# Altium PCB Quark_no.PcbDoc (part 1 of 3) (continued)
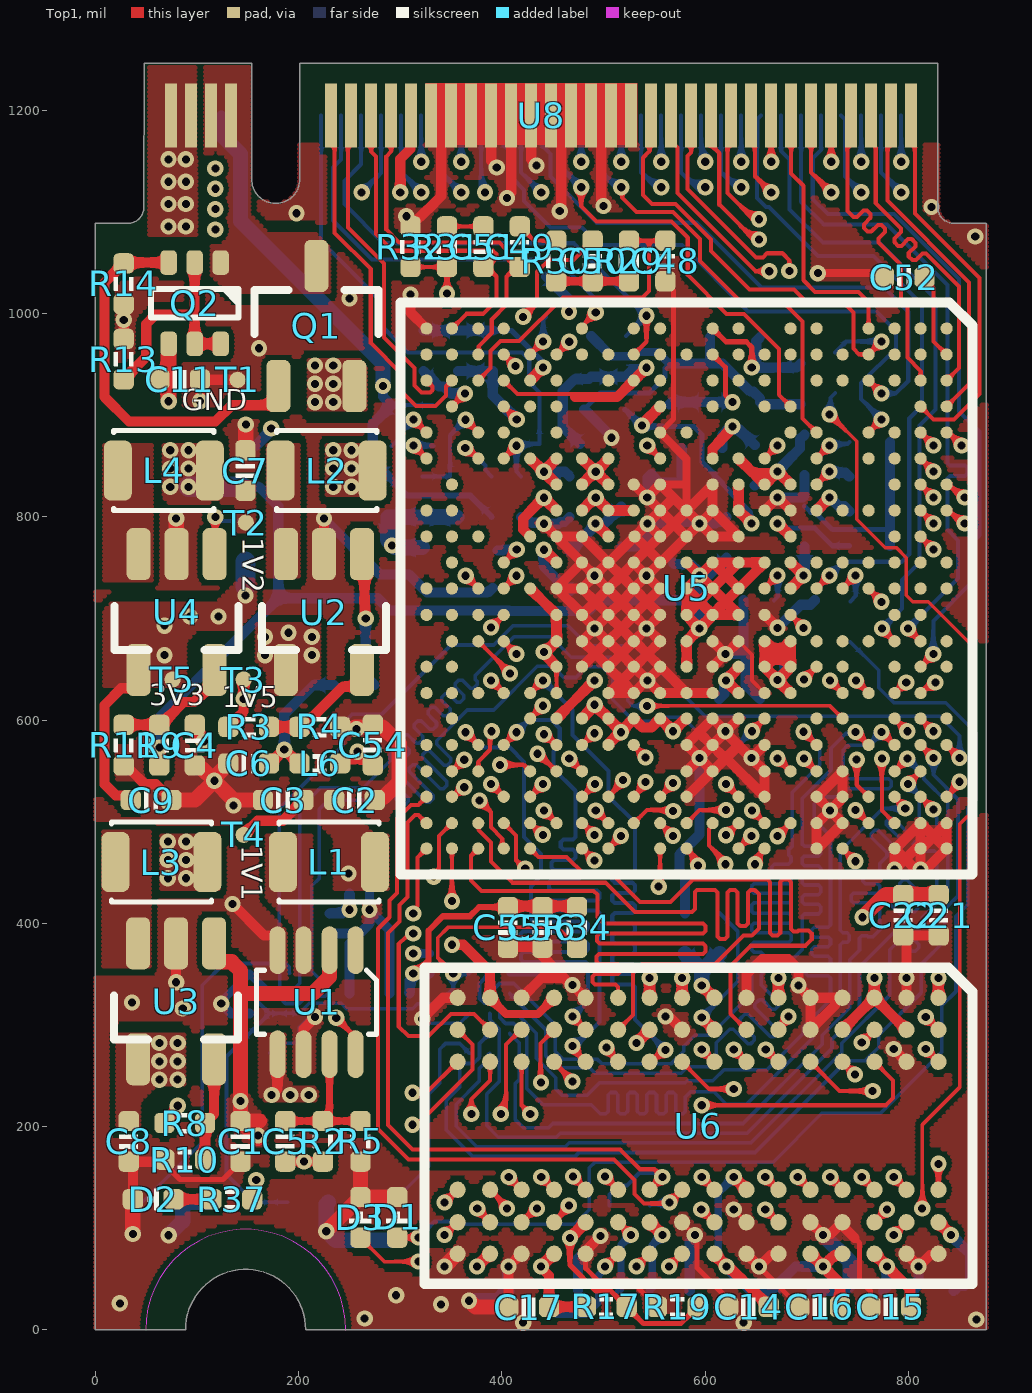
[diagram p0: Top1 view]
## Components (designator, comment, footprint, x,y, rotation, side; value= is the part's Value field where it differs from the comment)
C1 "10uF" CAP_0402 142.85,185.4 r90 top value=0.1u
C2 "10uF" CAP_0402 255,521.4 r180 top value=0.1u
C3 "0.1uF" CAP_0402 184.85,521.4 r0 top value=0.1u
C4 "10uF" CAP_0402 97.85,575.4 r90 top value=0.1u
C5 "10uF" CAP_0402 186.85,185.51 r270 top value=0.1u
C6 "10uF" CAP_0402 150.85,557.4 r0 top value=0.1u
C7 "10uF" CAP_0402 147.65,845.6 r270 top value=0.1u
C8 "10uF" CAP_0402 32.85,185.4 r90 top value=0.1u
C9 "10uF" CAP_0402 54.85,521.4 r180 top value=0.1u
C10 "10uF" CAP_0402 488,958 r270 bottom value=0.1u
C11 "10uF" CAP_0402 82.85,935.4 r180 top value=0.1u
C12 "10uF" CAP_0402 288,820 r90 bottom value=0.1u
C13 "10uF" CAP_0402 755,38 r0 bottom value=0.1u
C14 "1uF" CAP_0402 642.8,22.6 r0 top value=0.1u
C15 "0.1uF" CAP_0402 782.8,22.6 r0 top value=0.1u
C16 "0.1uF" CAP_0402 712.8,22.6 r0 top value=0.1u
C17 "0.1uF" CAP_0402 426.4,22.4 r0 top value=0.1u
C18 "0.1uF" CAP_0402 824.68,38 r0 bottom value=0.1u
C19 "0.1uF" CAP_0402 685,38 r180 bottom value=0.1u
C20 "0.1uF" CAP_0402 565,38 r180 bottom value=0.1u
C21 "0.1uF" CAP_0402 830,408 r90 top value=0.1u
C22 "0.1uF" CAP_0402 795,408 r90 top value=0.1u
C23 "0.1uF" CAP_0402 614.42,390 r90 bottom value=0.1u
C24 "0.1uF" CAP_0402 580.16,390 r270 bottom value=0.1u
C25 "0.1uF" CAP_0402 660,665.15 r0 bottom value=0.1u
C26 "0.1uF" CAP_0402 698,861 r90 bottom value=0.1u
C27 "0.1uF" CAP_0402 698,790.62 r270 bottom value=0.1u
C28 "0.1uF" CAP_0402 634,621 r180 bottom value=0.1u
C29 "1uF" CAP_0402 597,834 r0 bottom value=0.1u
C30 "0.1uF" CAP_0402 501,905.91 r0 bottom value=0.1u
C31 "18pF" CAP_0402 694,931 r270 bottom value=0.1u
C32 "18pF" CAP_0402 565,931 r270 bottom value=0.1u
C33 "10uF" CAP_0402 688,718 r0 bottom value=0.1u
C34 "0.1uF" CAP_0402 568.37,775 r270 bottom value=0.1u
C35 "0.1uF" CAP_0402 621.22,780 r270 bottom value=0.1u
C36 "0.1uF" CAP_0402 618,718 r180 bottom value=0.1u
C37 "0.1uF" CAP_0402 597,868 r180 bottom value=0.1u
C38 "0.1uF" CAP_0402 762,805.62 r180 bottom value=0.1u
C39 "10uF" CAP_0402 527,842 r180 bottom value=0.1u
C40 "0.1uF" CAP_0402 517.46,790 r90 bottom value=0.1u
C41 "0.1uF" CAP_0402 466.71,820 r90 bottom value=0.1u
C42 "0.1uF" CAP_0402 762,771.71 r180 bottom value=0.1u
C43 "1uF" CAP_0402 323,963.56 r90 bottom value=0.1u
C44 "10uF" CAP_0402 322,820 r90 bottom value=0.1u
C45 "10uF" CAP_0402 391,963.56 r270 bottom value=0.1u
C46 "0.1uF" CAP_0402 357,963.56 r270 bottom value=0.1u
C47 "0.1uF" CAP_0402 419,820 r90 bottom value=0.1u
C48 "1uF" CAP_0402 560.98,1052 r270 top value=0.1u
C49 "0.1uF" CAP_0402 417.66,1066 r90 top value=0.1u
C50 "10uF" CAP_0402 489.32,1052 r270 top value=0.1u
C51 "0.1uF" CAP_0402 381.83,1066 r90 top value=0.1u
C52 "0.1uF" CAP_0402 796,1036 r0 top value=0.1u
C53 "0.1uF" CAP_0402 762,839.71 r180 bottom value=0.1u
C54 "10uF" CAP_0402 273,575.65 r270 top locked value=0.1u
C55 "2.2uF" CAP_0402 406,396 r90 top value=0.1u
C56 "0.1uF" CAP_0402 440,396 r90 top value=0.1u
C57 "2.2uF" CAP_0402 209.1,125.6 r0 bottom value=0.1u
C58 "0.1uF" CAP_0402 136.2,125.6 r180 bottom value=0.1u
C59 "0.1uF" CAP_0402 295.8,108 r90 bottom value=0.1u
C60 "1uF" CAP_0402 259.8,108 r90 bottom value=0.1u
D1 "color?" LED_0402_BLUE 297,110.6 r90 top
D2 "color?" LED_0402_RED 56.8,128.4 r180 top
D3 "color?" LED_0402_G 260.8,110.6 r90 top
L1 "2.2uH" 2520-L 229.85,460.4 r0 top locked
L2 "2.2uH" 2520-L 227.65,845.6 r0 top
L3 "2.2uH" 2520-L 64.85,460.4 r0 top locked
L4 "2.2uH" 2520-L 67.25,845.6 r0 top locked
L5 "H0402" IND_0402 649,850.91 r90 bottom value=1500R
L6 "H0402" IND_0402 220.85,557.4 r0 top locked value=1500R
Q1 "AO3415A" SOT23-3 217.45,988 r90 top locked
Q2 "BCM856BS" SOT363-6 97.65,1010.4 r270 top
R1 "10K" RES_0402 254.8,634.6 r180 bottom value=22R
R2 "10K/1%" RES_0402 223.85,185.51 r270 top value=22R
R3 "15K/1%" RES_0402 150.85,593.4 r0 top value=22R
R4 "10K/1%" RES_0402 220.85,593.4 r180 top value=22R
R5 "12K/1%" RES_0402 260.85,185.51 r90 top value=22R
R6 "10K" RES_0402 147.65,776 r270 bottom value=22R
R7 "2R/1%" RES_0402 147.65,845.6 r90 bottom value=22R
R8 "30K/1%" RES_0402 87.88,203.48 r0 top value=22R
R9 "10K/1%" RES_0402 62.85,575.4 r270 top value=22R
R10 "6.8K/1%" RES_0402 87.88,167.48 r0 top value=22R
R11 "10K/1%" RES_0402 27.85,575.4 r90 top value=22R
R12 "0R" RES_0402 322,750 r270 bottom value=22R
R13 "10K/1%" RES_0402 27.85,955.4 r270 top value=22R
R14 "10K/1%" RES_0402 27.85,1029.6 r270 top value=22R
R15 "240R/1%" RES_0402 495,38 r180 bottom value=22R
R16 "240R/1%" RES_0402 425,38 r180 bottom value=22R
R17 "2K/1%" RES_0402 502.8,22.6 r180 top value=22R
R18 "100R" RES_0402 526,122.34 r0 bottom value=22R
R19 "2K/1%" RES_0402 572.8,22.6 r0 top value=22R
R20 "240R/1%" RES_0402 391,750.15 r270 bottom value=22R
R21 "1M" RES_0402 457,872 r0 bottom value=22R
R22 "10K" RES_0402 390,820 r270 bottom value=22R
R23 "47K" RES_0402 522,958 r270 bottom value=22R
R24 "10K" RES_0402 443.41,1016.71 r90 bottom value=22R
R25 "220K/1%" RES_0402 355.97,820 r90 bottom value=22R
R26 "0R" RES_0402 466.71,746 r90 bottom value=22R
R27 "100K" RES_0402 291.46,890 r270 bottom value=22R
R28 "47K" RES_0402 332,890 r270 bottom value=22R
R29 "1K" RES_0402 525.15,1052 r90 top value=22R
R30 "2K" RES_0402 453.49,1052 r270 top value=22R
R31 "2K" RES_0402 346,1066 r90 top value=22R
R32 "1K" RES_0402 310.18,1066 r270 top value=22R
R33 "6K/1%" RES_0402 762,873.71 r180 bottom value=22R
R34 "0R" RES_0402 474,396 r270 top value=22R
R35 "10K" RES_0402 66,125.6 r180 bottom value=22R
R36 "4.7K" RES_0402 743,697 r270 bottom value=22R
R37 "4.7K" RES_0402 134.2,128.4 r180 top value=22R
R38 "10K" RES_0402 728,942 r270 bottom value=22R
T1 "测试点" TEST_PT 140,934.99 r0 top
T2 "测试点" TEST_PT 148.01,794.4 r90 top
T3 "测试点" TEST_PT 145.86,640 r90 top
T4 "测试点" TEST_PT 145.86,487.15 r90 top
T5 "测试点" TEST_PT 76.01,640 r90 top
U1 "MP2143DJ" SOT23-8 217.65,322.4 r180 top locked
U2 "RT8059" SOT23-5 224.85,704.4 r270 top locked
U3 "RT8059" SOT23-5 79.45,321.2 r270 top locked
U4 "SY8089A" SOT23-5 79.85,704.4 r270 top locked
U5 "ALLWINNER-H3(FBGA-347)" "FBGA-347 - duplicate" 581.87,729.65 r270 top locked
U6 "K4B4G1646D-BCK0(FBGA-96_256Mx16_DDR3-1600_11-11-11)" FBGA96(HYNIX_SAMSUNG_512MX16_DDR3) 593.48,200.81 r180 top locked
U7 "KLM8G1GETF-B041" FBGA153 279.62,380.24 r90 bottom locked
U8 "Quantum-Quark-N" M.2 222.19,1195.14 r0 top locked
Y1 "24MHz" 晶振2520 629.61,945.11 r90 bottom

## Footprints (in the part's own frame and the unit in brackets; to place one, negate y for a bottom-side part, rotate by r counter-clockwise, add the part's x,y. Pads: shape width x height; smd on the part's side, far side on the other; paste and mask are expansions set on the pad)
2520-L [mm]
  rrect50% 0.7x1.5 smd: 1(-1.15,0) 2(1.15,0)
  silkscreen extent -1.25,-1 1.25,1, body extent -1,-0.6 1,0.6, height 0.92
CAP_0402 [mil]
  rrect50% 20x20 smd: 1(-20,0) 2(20,0)
  silkscreen extent -7,-9 7,9, body extent -20,-10 20,10, height 20
FBGA96(HYNIX_SAMSUNG_512MX16_DDR3) [mil] "FBGA96(HYNIX_SAMSUNG_512MX16_DDR3)"
  rrect100% 16x16 smd: A1(-236.22,-125.98) A2(-236.22,-94.49) A3(-236.22,-62.99) A7(-236.22,63) A8(-236.22,95) A9(-236.22,126) B1(-204.72,-125.98) B2(-204.72,-94.49) B3(-204.72,-62.99) B7(-204.72,63) B8(-204.72,95) B9(-204.72,126) C1(-173.23,-125.98) C2(-173.23,-94.49) C3(-173.23,-62.99) C7(-173.23,63) C8(-173.23,95) C9(-173.23,126) D1(-141.73,-125.98) D2(-141.73,-94.49) D3(-141.73,-62.99) D7(-141.73,63) D8(-141.73,95) D9(-141.73,126) E1(-110.24,-125.98) E2(-110.24,-94.49) E3(-110.24,-62.99) E7(-110.24,63) E8(-110.24,95) E9(-110.24,126) F1(-78.74,-125.98) F2(-78.74,-94.49) F3(-78.74,-62.99) F7(-78.74,63) F8(-78.74,95) F9(-78.74,126) G1(-47.24,-125.98) G2(-47.24,-94.49) G3(-47.24,-62.99) G7(-47.24,63) G8(-47.24,95) G9(-47.24,126) H1(-15.75,-125.98) H2(-15.75,-94.49) H3(-15.75,-62.99) H7(-15.75,63) H8(-15.75,95) H9(-15.75,126) J1(16,-125.98) J2(16,-94.49) J3(16,-62.99) J7(16,63) J8(16,95) J9(16,126) K1(48,-125.98) K2(48,-94.49) K3(48,-62.99) K7(48,63) K8(48,95) K9(48,126) L1(79,-125.98) L2(79,-94.49) L3(79,-62.99) L7(79,63) L8(79,95) L9(79,126) M1(111,-125.98) M2(111,-94.49) M3(111,-62.99) M7(111,63) M8(111,95) M9(111,126) N1(142,-125.98) N2(142,-94.49) N3(142,-62.99) N7(142,63) N8(142,95) N9(142,126) P1(174,-125.98) P2(174,-94.49) P3(174,-62.99) P7(174,63) P8(174,95) P9(174,126) R1(205,-125.98) R2(205,-94.49) R3(205,-62.99) R7(205,63) R8(205,95) R9(205,126) T1(237,-125.98) T2(237,-94.49) T3(237,-62.99) T7(237,63) T8(237,95) T9(237,126)
  silkscreen extent -270,-156 270,156, body extent -276,-157 276,157, height 45
FBGA153 [mm]
  round 0.23 smd: A1(-3.25,3.25) A2(-2.75,3.25) A3(-2.25,3.25) A4(-1.75,3.25) A5(-1.25,3.25) A6(-0.75,3.25) A7(-0.25,3.25) A8(0.25,3.25) A9(0.75,3.25) A10(1.25,3.25) A11(1.75,3.25) A12(2.25,3.25) A13(2.75,3.25) A14(3.25,3.25) B1(-3.25,2.75) B2(-2.75,2.75) B3(-2.25,2.75) B4(-1.75,2.75) B5(-1.25,2.75) B6(-0.75,2.75) B7(-0.25,2.75) B8(0.25,2.75) B9(0.75,2.75) B10(1.25,2.75) B11(1.75,2.75) B12(2.25,2.75) B13(2.75,2.75) B14(3.25,2.75) C1(-3.25,2.25) C2(-2.75,2.25) C3(-2.25,2.25) C4(-1.75,2.25) C5(-1.25,2.25) C6(-0.75,2.25) C7(-0.25,2.25) C8(0.25,2.25) C9(0.75,2.25) C10(1.25,2.25) C11(1.75,2.25) C12(2.25,2.25) C13(2.75,2.25) C14(3.25,2.25) D1(-3.25,1.75) D2(-2.75,1.75) D3(-2.25,1.75) D4(-1.75,1.75) D12(2.25,1.75) D13(2.75,1.75) D14(3.25,1.75) E1(-3.25,1.25) E2(-2.75,1.25) E3(-2.25,1.25) E5(-1.25,1.25) E6(-0.75,1.25) E7(-0.25,1.25) E8(0.25,1.25) E9(0.75,1.25) E10(1.25,1.25) E12(2.25,1.25) E13(2.75,1.25) E14(3.25,1.25) F1(-3.25,0.75) F2(-2.75,0.75) F3(-2.25,0.75) F5(-1.25,0.75) F10(1.25,0.75) F12(2.25,0.75) F13(2.75,0.75) F14(3.25,0.75) G1(-3.25,0.25) G2(-2.75,0.25) G3(-2.25,0.25) G5(-1.25,0.25) G10(1.25,0.25) G12(2.25,0.25) G13(2.75,0.25) G14(3.25,0.25) H1(-3.25,-0.25) H2(-2.75,-0.25) H3(-2.25,-0.25) H5(-1.25,-0.25) H10(1.25,-0.25) H12(2.25,-0.25) H13(2.75,-0.25) H14(3.25,-0.25) J1(-3.25,-0.75) J2(-2.75,-0.75) J3(-2.25,-0.75) J5(-1.25,-0.75) J10(1.25,-0.75) J12(2.25,-0.75) J13(2.75,-0.75) J14(3.25,-0.75) K1(-3.25,-1.25) K2(-2.75,-1.25) K3(-2.25,-1.25) K5(-1.25,-1.25) K6(-0.75,-1.25) K7(-0.25,-1.25) K8(0.25,-1.25) K9(0.75,-1.25) K10(1.25,-1.25) K12(2.25,-1.25) K13(2.75,-1.25) K14(3.25,-1.25) L1(-3.25,-1.75) L2(-2.75,-1.75) L3(-2.25,-1.75) L12(2.25,-1.75) L13(2.75,-1.75) L14(3.25,-1.75) M1(-3.25,-2.25) M2(-2.75,-2.25) M3(-2.25,-2.25) M4(-1.75,-2.25) M5(-1.25,-2.25) M6(-0.75,-2.25) M7(-0.25,-2.25) M8(0.25,-2.25) M9(0.75,-2.25) M10(1.25,-2.25) M11(1.75,-2.25) M12(2.25,-2.25) M13(2.75,-2.25) M14(3.25,-2.25) N1(-3.25,-2.75) N2(-2.75,-2.75) N3(-2.25,-2.75) N4(-1.75,-2.75) N5(-1.25,-2.75) N6(-0.75,-2.75) N7(-0.25,-2.75) N8(0.25,-2.75) N9(0.75,-2.75) N10(1.25,-2.75) N11(1.75,-2.75) N12(2.25,-2.75) N13(2.75,-2.75) N14(3.25,-2.75) P1(-3.25,-3.25) P2(-2.75,-3.25) P3(-2.25,-3.25) P4(-1.75,-3.25) P5(-1.25,-3.25) P6(-0.75,-3.25) P7(-0.25,-3.25) P8(0.25,-3.25) P9(0.75,-3.25) P10(1.25,-3.25) P11(1.75,-3.25) P12(2.25,-3.25) P13(2.75,-3.25) P14(3.25,-3.25)
  silkscreen extent -6.22,-6.61 5.84,6.86, body extent -5.78,-6.54 5.72,6.46, height 0.63
"FBGA-347 - duplicate" [mil] "FBGA-347"
  rrect100% 12x12 smd: A1(-255.91,255.91) A2(-230.31,255.91) A3(-204.72,255.91) A4(-179.13,255.91) A5(-153.54,255.91) A7(-102.36,255.91) A8(-76.77,255.91) A10(-25.59,255.91) A11(0,255.91) A13(52,255.91) A14(77,255.91) A16(128,255.91) A17(154,255.91) A19(205,255.91) A20(231,255.91) A21(256,255.91) AA1(-255.91,-256) AA2(-230.31,-256) AA3(-204.72,-256) AA5(-153.54,-256) AA6(-127.95,-256) AA8(-76.77,-256) AA9(-51.18,-256) AA11(0,-256) AA12(26,-256) AA14(77,-256) AA15(103,-256) AA17(154,-256) AA18(180,-256) AA19(205,-256) AA20(231,-256) AA21(256,-256) B1(-255.91,230.31) B2(-230.31,230.31) B3(-204.72,230.31) B4(-179.13,230.31) B5(-153.54,230.31) B6(-127.95,230.31) B7(-102.36,230.31) B8(-76.77,230.31) B9(-51.18,230.31) B10(-25.59,230.31) B11(0,230.31) B12(26,230.31) B13(52,230.31) B14(77,230.31) B15(103,230.31) B16(128,230.31) B17(154,230.31) B18(180,230.31) B19(205,230.31) B20(231,230.31) B21(256,230.31) C1(-255.91,204.72) C2(-230.31,204.72) C3(-204.72,204.72) C5(-153.54,204.72) C6(-127.95,204.72) C7(-102.36,204.72) C8(-76.77,204.72) C9(-51.18,204.72) C10(-25.59,204.72) C11(0,204.72) C12(26,204.72) C13(52,204.72) C14(77,204.72) C15(103,204.72) C16(128,204.72) C17(154,204.72) C18(180,204.72) C19(205,204.72) C20(231,204.72) C21(256,204.72) D1(-255.91,179.13) D2(-230.31,179.13) D3(-204.72,179.13) D5(-153.54,179.13) D6(-127.95,179.13) D8(-76.77,179.13) D10(-25.59,179.13) D11(0,179.13) D13(52,179.13) D15(103,179.13) D17(154,179.13) D19(205,179.13) D20(231,179.13) E2(-230.31,153.54) E3(-204.72,153.54) E8(-76.77,153.54) E10(-25.59,153.54) E11(0,153.54) E13(52,153.54) E14(77,153.54) E15(103,153.54) E16(128,153.54) E18(180,153.54) E19(205,153.54) E20(231,153.54) E21(256,153.54) F1(-255.91,127.95) F2(-230.31,127.95) F3(-204.72,127.95) F5(-153.54,127.95) F6(-127.95,127.95) F7(-102.36,127.95) F8(-76.77,127.95) F10(-25.59,127.95) F11(0,127.95) F13(52,127.95) F14(77,127.95) F16(128,127.95) F17(154,127.95) F18(180,127.95) F19(205,127.95) F20(231,127.95) F21(256,127.95) G1(-255.91,102.36) G2(-230.31,102.36) G4(-179.13,102.36) G5(-153.54,102.36) G7(-102.36,102.36) G8(-76.77,102.36) G9(-51.18,102.36) G10(-25.59,102.36) G11(0,102.36) G12(26,102.36) G13(52,102.36) G14(77,102.36) G15(103,102.36) G18(180,102.36) G20(231,102.36) H2(-230.31,76.77) H3(-204.72,76.77) H4(-179.13,76.77) H6(-127.95,76.77) H7(-102.36,76.77) H8(-76.77,76.77) H10(-25.59,76.77) H11(0,76.77) H12(26,76.77) H13(52,76.77) H14(77,76.77) H15(103,76.77) H16(128,76.77) H17(154,76.77) H18(180,76.77) H19(205,76.77) H20(231,76.77) H21(256,76.77) J1(-255.91,51.18) J2(-230.31,51.18) J3(-204.72,51.18) J6(-127.95,51.18) J7(-102.36,51.18) J8(-76.77,51.18) J9(-51.18,51.18) J10(-25.59,51.18) J11(0,51.18) J12(26,51.18) J13(52,51.18) J14(77,51.18) J15(103,51.18) J16(128,51.18) J19(205,51.18) J20(231,51.18) J21(256,51.18) K1(-255.91,25.59) K2(-230.31,25.59) K3(-204.72,25.59) K4(-179.13,25.59) K6(-127.95,25.59) K7(-102.36,25.59) K8(-76.77,25.59) K9(-51.18,25.59) K10(-25.59,25.59) K11(0,25.59) K12(26,25.59) K13(52,25.59) K14(77,25.59) K15(103,25.59) K16(128,25.59) K17(154,25.59) K18(180,25.59) K20(231,25.59) L2(-230.31,0) L5(-153.54,0) L8(-76.77,0) L9(-51.18,0) L10(-25.59,0) L11(0,0) L12(26,0) L13(52,0) L14(77,0) L15(103,0) L16(128,0) L17(154,0) L18(180,0) L19(205,0) L20(231,0) L21(256,0) M1(-255.91,-26) M2(-230.31,-26) M3(-204.72,-26) M4(-179.13,-26) M5(-153.54,-26) M6(-127.95,-26) M7(-102.36,-26) M8(-76.77,-26) M9(-51.18,-26) M10(-25.59,-26) M11(0,-26) M12(26,-26) M13(52,-26) M14(77,-26) M15(103,-26) M16(128,-26) M19(205,-26) M20(231,-26) M21(256,-26) N1(-255.91,-52) N2(-230.31,-52) N3(-204.72,-52) N7(-102.36,-52) N8(-76.77,-52) N9(-51.18,-51.18) N10(-25.59,-52) N11(0,-52) N12(26,-52) N13(52,-52) N14(77,-52) N15(103,-52) N16(128,-52) N17(154,-52) N19(205,-52) N20(231,-52) P2(-230.31,-77) P3(-204.72,-77) P6(-127.95,-77) P7(-102.36,-77) P8(-76.77,-77) P9(-51.18,-77) P10(-25.59,-77) P11(0,-77) P12(26,-77) P13(52,-77) P14(77,-77) P15(103,-77) P16(128,-77) P17(154,-77) P19(205,-77) P20(231,-77) P21(256,-77) R1(-255.91,-103) R2(-230.31,-103) R6(-127.95,-103) R7(-102.36,-103) R8(-76.77,-103) R9(-51.18,-103) R10(-25.59,-103) R11(0,-103) R12(26,-103) R13(52,-103) R14(77,-103) R16(128,-103) R17(154,-103) R18(180,-103) R19(205,-103) R20(231,-103) R21(256,-103) T2(-230.31,-128) T3(-204.72,-128) T4(-179.13,-128) T5(-153.54,-128) T6(-127.95,-128) T7(-102.36,-128) T8(-76.77,-128) T9(-51.18,-128) T10(-25.59,-128) T11(0,-128) T12(26,-128) T13(52,-128) T14(77,-128) T15(103,-128) T16(128,-128) T17(154,-128) T18(180,-128) T20(231,-128) U2(-230.31,-154) U3(-204.72,-154) U4(-179.13,-154) U6(-127.95,-154) U9(-51.18,-154) U11(0,-154) U15(103,-154) U16(128,-154) U18(180,-154) U19(205,-154) U20(231,-154) U21(256,-154) V1(-255.91,-180) V2(-230.31,-180) V3(-204.72,-180) V4(-179.13,-180) V5(-153.54,-180) V6(-127.95,-180) V10(-25.59,-180) V11(0,-180) V12(26,-180) V13(52,-180) V15(103,-180) V17(154,-180) V19(205,-180) V20(231,-180) V21(256,-180) W1(-255.91,-205) W2(-230.31,-205) W3(-204.72,-205) W5(-153.54,-205) W6(-127.95,-205) W9(-51.18,-205) W11(0,-205) W12(26,-205) W13(52,-205) W15(103,-205) W17(154,-205) W18(180,-205) W20(231,-205) W21(256,-205) Y1(-255.91,-231) Y2(-230.31,-231) Y3(-204.72,-231) Y4(-179.13,-231) Y7(-102.36,-231) Y8(-76.77,-231) Y9(-51.18,-231) Y10(-25.59,-231) Y11(0,-231) Y12(26,-231) Y13(52,-231) Y14(77,-231) Y15(103,-231) Y16(128,-231) Y17(154,-231) Y18(180,-231) Y19(205,-231) Y20(231,-231) Y21(256,-231)
  silkscreen extent -281,-281 281,281, body extent -276,-276 276,276, height 54
IND_0402 [mil]
  rrect50% 20x20 smd: 1(-20,0) 2(20,0)
  silkscreen extent -7,-9 7,9, body extent -20,-10 20,10, height 20
LED_0402_BLUE [mil]
  rrect50% 20x20 smd: 1(-20,0) 2(20,0)
  silkscreen extent -6,-10 6,10, body extent -20,-10 20,10, height 18
LED_0402_G [mil]
  rrect50% 20x20 smd: 1(-20,0) 2(20,0)
  silkscreen extent -6,-10 6,10, body extent -20,-10 20,10, height 18
LED_0402_RED [mil]
  rrect50% 20x20 smd: 1(-20,0) 2(20,0)
  silkscreen extent -6,-10 6,10, body extent -20,-10 20,10, height 18
M.2 [mm]
  rect 0.3x1.6 smd: 1(-3.75,0.003) 3(-3.25,0.003) 5(-2.75,0.003) 7(-2.25,0.003) 17(0.25,0) 19(0.75,0) 21(1.25,0) 23(1.75,0) 25(2.25,0) 27(2.75,0) 29(3.25,0) 31(3.75,0) 33(4.25,0) 35(4.75,0) 37(5.25,0) 39(5.75,0) 41(6.25,0) 43(6.75,0) 45(7.25,0) 47(7.75,0) 49(8.25,0) 51(8.75,0) 53(9.25,0) 55(9.75,0) 57(10.25,0) 59(10.75,0) 61(11.25,0) 63(11.75,0) 65(12.25,0) 67(12.75,0) 69(13.25,0) 71(13.75,0) 73(14.25,0) 75(14.75,0)
  rect 0.3x1.6 smd far side: 2(-3.5,0) 4(-3,0) 6(-2.5,0) 16(0,0) 18(0.5,0) 20(1,0) 22(1.5,0) 24(2,0) 26(2.5,0) 28(3,0) 30(3.5,0) 32(4,0) 34(4.5,0) 36(5,0) 38(5.5,0) 40(6,0) 42(6.5,0) 44(7,0) 46(7.5,0) 48(8,0) 50(8.5,0) 52(9,0) 54(9.5,0) 56(10,0) 58(10.5,0) 60(11,0) 62(11.5,0) 64(12,0) 66(12.5,0) 68(13,0) 70(13.5,0) 72(14,0) 74(14.5,0)
RES_0402 [mil]
  rrect50% 20x20 smd: 1(-20,0) 2(20,0)
  silkscreen extent -7,-10 7,10, body extent -20,-10 20,10, height 14
SOT23-3 [mm] "SOT23, 3-Leads, Body 3.1x3.0mm (max), Pitch 0.95mm, IPC Medium Density"
  rrect50% 1.3x0.6 smd: 1(-1.5,0.95) 2(-1.5,-0.95) 3(1.5,0)
  silkscreen extent -0.2,-1.55 0.9,1.55, body extent -1.3,-1.45 1.5,1.45, height 1.2
SOT23-5 [mm] "SOT23, 3-Leads, Body 3.1x3.0mm (max), Pitch 0.95mm, IPC Medium Density"
  rrect50% 1.3x0.6 smd: 1(-1.5,0.95) 2(-1.5,0) 3(-1.5,-0.95) 4(1.396,-0.95) 5(1.396,0.95)
  silkscreen extent -0.2,-1.55 0.9,1.55, body extent -1.48,-1.45 1.32,1.45, height 1.2
SOT23-8 [mm]
  oval 0.4x1.2 smd: 1(-0.975,-1.3) 2(-0.325,-1.3) 3(0.325,-1.3) 4(0.975,-1.3) 5(0.975,1.3) 6(0.325,1.3) 7(-0.325,1.3) 8(-0.975,1.3)
  silkscreen extent -1.5,-0.8 1.5,0.8, body extent -1.44,-1.43 1.5,1.37, height 1.2
SOT363-6 [mil]
  rrect50% 24x16 smd: 1(-40,25.59) 2(-40,0) 3(-40,-25.59) 4(40,-25.59) 5(40,0) 6(40,25.59)
  silkscreen extent -14,-43 14,43, body extent -41,-39 41,39, height 37
TEST_PT [mil]
  rrect100% 16x16 smd: 0(0,0.01)
晶振2520 [mm]
  rrect50% 0.8x0.6 smd: 1(-0.81,-0.625) 2(0.81,-0.625) 3(0.81,0.625) 4(-0.81,0.625)
  silkscreen extent -1.4,-1.1 1.4,1.1, body extent -1.3,-1.05 1.3,1.05, height 0.55

## Part data
C1 C2 C3 C4 C5 C6 C7 C8 C9 C10 C11 C12 C13 C14 C15 C16 C17 C18 C19 C20 C21 C22 C23 C24 C25 C26 C27 C28 C29 C30 C31 C32 C33 C34 C35 C36 C37 C38 C39 C40 C41 C42 C43 C44 C45 C46 C47 C48 C49 C50 C51 C52 C53 C54 C55 C56 C57 C58 C59 C60: library part 电容-0402, "Capacitor"
D1 D2 D3: library part LED_0402, "LED", Type=0402
L1 L2 L3 L4: library part 电感-2520, "磁珠"
L5 L6: library part Ind_0402, "Inductor", Specification="±5% 100mA", Type=0402
Q1: "MOSFET", LatestRevisionDate=17-Jul-2002, LatestRevisionNote="Re-released for DXP Platform.", PackageDescription="TO, Flat Index; 3 In-Line, Axial Leads; Body Dia. 4.6mm; Lead Dia. 0.5 mm (max)", PackageReference=E3, PackageVersion=1995/1996, Published=8-Jun-2000, Publisher="Altium Limited"
Q2: "Transistor"
R1 R2 R3 R4 R5 R6 R7 R8 R9 R10 R11 R12 R13 R14 R15 R16 R17 R18 R19 R20 R21 R22 R23 R24 R25 R26 R27 R28 R29 R30 R31 R32 R33 R34 R35 R36 R37 R38: library part 电阻-0402, "Resistor"
U1 U2 U3 U4: "LDO"
U6: library part K4B8G1646Q-MYK0(FBGA-96_512MX16_DDR3-1600)
U7: library part EMMC, "8GB三星EMMC芯片"
Y1: library part 晶振-4Pin-无源, "2520无源", Package="SMD-6 ECS International", Availability=Unavailable, MF="ECS International", MP=ECS-3225S30-240-EN-TR, Price="0.75 USD"

## Via types
v1: diameter 16, hole 8, Top1 to Bottom6, tented both sides, 390 vias

## Nets (pads, with @x,y where several pads share a name; then routed paths per layer and width w, separated by ;. In a path a pad name is that pad's centre, name@x,y a point inside that pad or via, vN(x,y) a via of type N, cw(c..) or ccw(c..) an arc to the next point about the centre after c; other vN are vias at no path point)
AGND: C12.1 C43.2 C44.1 C45.1 C46.1 R12.1 R25.1 U5.U3 U8.25 | length 864.1
  Top1 w10: v1(300,1119.5) 300,1152.3 309.86,1162.16 309.86,1194.23 U8.25@310.77,1195.14 ; U5.U3@427.87,934.37 v1(440.66,947.17)
  Signal5 w15: v1(292,772) 334,814 334,945 ; v1(300,1119.5) 281,1100.5 281,998 334,945 ; v1(440.66,947.17) 418.49,925 396,925 376,945 334,945
  Bottom6 w5: C45.1@391,983.56 409.41,983.56 v1@438.56,954.41
  Bottom6 w10: C43.2@323,983.56 C46.1@357,983.56 C45.1@391,983.56
  Bottom6 w15: v1@288,776.27 C12.1@288,800 C44.1@322,800 R25.1@355.97,800 ; v1@294.27,770 R12.1@322,770
AP-RESET#: C47.2 R21.1 U5.V6 U8.16 | length 550.9
  Top1 w4: U5.V6@401.87,857.6 v1(414.37,870.1)
  Bottom6 w4: U8.16@222.19,1195.14 222.19,1071.41 281.8,1011.8 281.8,987.8 307.64,961.96 419.69,961.96 427,954.65 427,932.6 437,922.6 R21.1@437,872 416.26,872 v1(414.37,870.1) 414.37,844.63 C47.2@419,840
EMMC-CLK: U5.A17 U7.M6 | length 1011.8
  Top1 w4: U5.A17@837.77,575.65 v1(850.57,562.85)
  Bottom6 w3.5: U7.M6@191.03,350.71 190.55,351.2 190.55,357.06 181.13,366.48 181.13,513 217.13,549 243.75,575.62 243.75,596.89 252.86,606 282,606 350,674 378.73,674 ; 383,674 378.73,674 ; v1(850.57,562.85) 850.57,584.43 831,604 600,604 531,673 485.06,673 465.06,693 411,693 392,674 378.73,674
EMMC-CMD: U5.E16 U7.M5 | length 995.5
  Top1 w3.5: v1@545,614 723.06,614 U5.E16@735.41,601.65
  Bottom6 w3.5: U7.M5@191.03,331.03 200.94,340.94 200.94,512.94 221.5,533.5 263.5,533.5 289.68,559.68 289.68,566.4 293.04,569.76 296.4,569.76 298.08,568.08 302.1,564.05 305.46,564.05 308.82,567.41 308.82,570.77 300.55,579.03 300.55,582.39 303.91,585.75 307.27,585.75 315.54,577.48 318.9,577.48 322.26,580.84 322.26,584.2 313.99,592.47 313.99,595.83 317.35,599.19 320.71,599.19 324.95,594.95 328.96,590.94 332.32,590.94 335.67,594.29 335.67,597.65 331.66,601.66 327.42,605.9 327.42,609.26 330.78,612.62 334.14,612.62 338.38,608.38 342.39,604.37 345.75,604.37 349.11,607.73 349.11,611.09 345.1,615.1 340.86,619.34 340.86,622.7 344.22,626.06 347.58,626.06 355.85,617.79 359.2,617.79 362.56,621.15 362.56,624.51 354.29,632.77 354.29,636.13 357.65,639.49 361.01,639.49 365.25,635.25 368.88,631.62 372.24,631.62 375.6,634.98 375.6,638.34 373.65,640.29 373.65,643.65 412,682 448.15,682 468.15,662 517,662 524,655 524,619.15 529.15,614 v1(543,614)
EMMC-D0: U5.B18 U7.A3 | length 940.5
  Top1 w4: v1(799.68,537.15) U5.B18@812.18,549.65
  Bottom6 w3.5: U7.A3@407.57,291.66 417.35,281.88 417.35,246.35 413,242 413,207 420.95,199.05 446.05,199.05 450,203 637.37,203 715.46,281.09 715.46,289.89 742.5,316.93 742.5,363.93 752,373.43 752,385.4 754.6,388 759,388 760,387 765.57,387 772,393.43 772,417.81 769.62,420.18 746.1,420.18 743.73,422.56 743.73,427.31 746.1,429.68 769.62,429.68 772,432.06 772,436.81 769.62,439.18 757.82,439.18 755.44,441.56 755.44,446.31 757.82,448.68 769.69,448.68 772,451 772,459 779.09,466.09 779.09,469.45 763.67,484.88 763.67,488.23 767.03,491.59 770.38,491.59 788.59,473.38 791.95,473.38 795.31,476.74 795.31,480.1 794.21,481.21 778.48,496.93 778.48,500.29 781.84,503.65 785.2,503.65 798.6,490.25 811.75,490.25 813.8,492.3 813.8,495.2 811,498 811,525.83 v1(799.68,537.15)
EMMC-D1: U5.C17 U7.A4 | length 945.5
  Top1 w4: v1(773.79,588.45) U5.C17@786.59,575.65
  Bottom6 w3.5: U7.A4@407.57,311.34 414.66,311.34 434,292 434,267.22 453,248.22 453,237 459,231 484,231 496.05,243.05 580.49,243.05 582.44,245 607.71,245 618.71,256 661,256 696.46,291.46 696.46,297.76 723.5,324.8 723.5,329.55 723.5,339.05 723.5,346.18 721.12,348.55 701.18,348.55 698.8,350.93 698.8,355.68 701.18,358.05 721.12,358.05 723.5,360.43 723.5,365.18 721.12,367.55 707.37,367.55 705,369.93 705,374.68 707.37,377.05 721.12,377.05 723.5,379.43 723.5,384.18 721.12,386.55 707.37,386.55 705,388.93 705,393.68 707.37,396.05 721.12,396.05 723.5,398.43 723.5,399 723.5,486 707.5,502 707.5,517.5 714.4,524.4 730.09,524.4 738.33,532.64 780.85,532.64 783.23,535.02 783.23,539.77 780.85,542.14 738.33,542.14 735.95,544.52 735.95,570.95 740.2,575.2 760.54,575.2 v1(773.79,588.45)
EMMC-D2: U5.D17 U7.A5 | length 940.8
  Top1 w4: v1(748.2,588.45) U5.D17@761,575.65
  Bottom6 w3.5: U7.A5@407.57,331.03 443,295.6 443,270 455,258 486.22,258 491.67,252.55 576.55,252.55 583,259 605,259 611,265 611,282.45 624.4,295.85 627.76,295.85 641.88,281.73 645.23,281.73 648.59,285.09 648.59,288.45 634.47,302.57 634.47,305.93 639,310.45 642.36,310.45 664.48,288.33 667.84,288.33 671.2,291.69 671.2,295.05 649.08,317.17 649.08,320.53 653.18,324.63 656.53,324.63 665.65,315.51 669.01,315.51 672.37,318.87 672.37,322.23 655.26,339.34 655.26,349.3 666.95,361 682.44,361 695.5,374.07 695.5,395 695.5,399.75 695.5,406.87 697.88,409.25 711.63,409.25 714,411.62 714,416.37 711.63,418.75 697.88,418.75 695.5,421.12 695.5,425.87 697.88,428.25 711.63,428.25 714,430.62 714,435.37 711.63,437.75 697.88,437.75 695.5,440.12 695.5,444.87 697.88,447.25 711.63,447.25 714,449.62 714,454.37 711.63,456.75 697.88,456.75 695.5,459.12 695.5,463.87 697.88,466.25 711.63,466.25 714,468.62 714,473.37 711.63,475.75 697.88,475.75 695.5,478.12 695.5,481 695.5,522.5 724,551 724,572.43 738.24,586.67 746.43,586.67 v1(748.2,588.45)
EMMC-D3: U5.C18 U7.B2 | length 942
  Top1 w4: U5.C18@786.59,549.65 v1(799.09,562.15)
  Bottom6 w3.5: U7.B2@387.89,271.97 386.85,270.94 386.85,266.18 377.98,257.31 377.98,244.98 355,222 355,200.37 375.32,180.05 462.42,180.05 466.37,184 645.24,184 734.46,273.22 734.46,282.02 782,329.57 782,374 785.36,377.36 790.4,382.4 793.76,382.4 803.66,372.49 807.02,372.49 810.38,375.85 810.38,379.21 800.47,389.11 800.47,392.47 803.83,395.83 807.19,395.83 817.09,385.93 820.45,385.93 823.81,389.29 823.81,392.65 813.91,402.55 813.91,405.91 814.5,406.5 839,431 839,518.57 815.48,542.09 815.48,545.76 v1(799.09,562.15)
EMMC-D4: U5.B17 U7.B3 | length 944.6
  Top1 w4: U5.B17@812.18,575.65 v1(824.98,562.85)
  Bottom6 w3.5: 358.42,258.42 358.42,238.86 345.5,225.93 345.5,196.43 371.38,170.55 472.05,170.55 476,174.5 649.17,174.5 739.67,265 758,265 771,278 771,290 813,332 813,360 836,383 836,414 849,427 849,522 824.98,546.02 v1(824.98,562.85) ; 358.45,258.42 362.1,262.07 367.87,262.07 368,262.2 372.25,262.2 377.98,267.92 377.98,268.98 ; 378,269 378,281.78 U7.B3@387.89,291.66
EMMC-D5: U5.B19 U7.B4 | length 937.7
  Top1 w4: U5.B19@812.18,524.65 v1(824.68,512.15)
  Bottom6 w3.5: U7.B4@387.89,311.34 388.37,310.86 388.37,305 397.66,295.71 397.66,244.66 385,232 385,201 396.45,189.55 453.55,189.55 457.5,193.5 641.3,193.5 724.96,277.15 724.96,285.96 752,313 752,357.43 790,395.43 791.05,396.49 796.09,401.53 796.09,404.89 781.5,419.48 781.5,422.84 784.86,426.2 788.22,426.2 802.81,411.6 806.17,411.6 809.53,414.96 809.53,418.32 791.73,436.12 791.73,439.48 795.09,442.84 798.45,442.84 816.24,425.04 819.6,425.04 824.64,430.08 828,433.43 828,466 828,468.87 825.62,471.25 807.18,471.25 804.81,473.62 804.81,478.37 807.18,480.75 825.62,480.75 828,483.12 828,490.25 828,495 828,503.85 827.07,504.78 827.07,509.76 v1(824.68,512.15)
EMMC-D6: U5.F17 U7.B5 | length 940.9
  Top1 w4: v1(696.82,588.65) U5.F17@709.82,575.65
  Bottom6 w3.5: U7.B5@387.89,331.03 397.66,340.81 411.62,340.81 450,302.43 450,302.03 452.5,299.53 452.5,273.93 460.39,266.05 494.2,266.05 498.2,262.05 567.05,262.05 579,274 579,279 590,290 605.11,290 645.76,330.65 645.76,359.87 648.13,362.25 654.77,362.25 657.15,364.62 657.15,369.37 654.77,371.75 648.13,371.75 645.76,374.12 645.76,378.87 648.13,381.25 682.38,381.25 684.76,383.62 684.76,388.37 682.38,390.75 648.13,390.75 645.76,393.12 645.76,397.87 648.13,400.25 682.38,400.25 684.76,402.62 684.76,407.37 682.38,409.75 648.13,409.75 645.76,412.12 645.76,417.75 648.13,420.12 682.38,420.12 684.76,422.5 684.76,427.25 682.38,429.62 648.13,429.62 645.76,432 645.76,436.75 648.13,439.12 682.38,439.12 684.76,441.5 684.76,446.25 682.38,448.62 668.13,448.62 665.76,451 665.76,455.75 668.13,458.12 682.21,458.12 684.59,460.5 684.59,465.25 682.21,467.62 682.21,472.21 686,476 686,529 713,556 713,572.47 v1(696.82,588.65)
EMMC-D7: U5.C19 U7.B6 | length 940.8
  Top1 w4: U5.C19@786.59,524.65 v1@799.09,512.15
  Bottom6 w3.5: U7.B6@387.89,350.71 378,340.83 378,326 382.75,321.25 389.7,321.25 ; 389.83,321.25 391.94,321.25 ; 391.94,321.12 397.79,315.27 397.79,307.29 403.65,301.44 411.62,301.44 424.72,288.34 424.72,237.28 440.5,221.5 487.94,221.5 496.94,212.5 502.36,212.5 504.74,214.87 504.74,231.17 507.11,233.55 511.86,233.55 514.24,231.17 514.24,214.87 516.61,212.5 521.36,212.5 523.74,214.87 523.74,231.17 526.11,233.55 530.86,233.55 533.24,231.17 533.24,214.87 535.61,212.5 540.36,212.5 542.74,214.87 542.74,231.17 545.11,233.55 549.86,233.55 552.24,231.17 552.24,214.87 554.61,212.5 559.36,212.5 561.74,214.87 561.74,231.17 564.11,233.55 568.86,233.55 571.24,231.17 571.24,214.87 573.61,212.5 578.36,212.5 580.74,214.87 580.74,229.3 585.69,234.25 608.75,234.25 621,222 640.8,222 705.96,287.15 705.96,293.83 733,320.87 733,378.87 735.38,381.25 739.73,381.25 742.1,383.62 742.1,388.37 739.73,390.75 735.38,390.75 733,393.12 733,471 775.15,513.15 v1(797.09,513.15)
EMMC-RSTN: R35.2 U5.H16 U7.K5 | length 1396.1
  Top1 w4: v1(646.14,589.15) U5.H16@658.64,601.65
  Bottom6 w3.5: R35.2@46,125.6 105,184.6 105,339 126.49,360.49 175.51,360.49 181.26,354.74 181.26,326.98 187.11,321.12 200.48,321.12 207.61,328.25 226.12,328.25 228.9,331.03 U7.K5@230.41,331.03 229.34,332.09 229.34,336.66 213,353 213,437 220.5,444.5 220.5,512.5 229,521 277,521 285.4,529.4 288.76,529.4 301.28,516.87 304.64,516.87 308,520.23 308,523.59 295.47,536.11 295.47,539.47 298.83,542.83 302.19,542.83 325.81,519.21 329.17,519.21 332.53,522.57 332.53,525.93 308.91,549.55 308.91,552.91 312.27,556.27 315.63,556.27 339.25,532.64 342.61,532.64 345.97,536 345.97,539.36 322.34,562.98 322.34,566.34 325.7,569.7 329.06,569.7 343.03,555.73 346.39,555.73 349.75,559.09 349.75,562.45 335.78,576.42 335.78,579.78 366,610 392,610 435,653 450,653 461,642 473,642 483.5,652.5 498.5,652.5 509,642 509,620 530,599 555,599 559,603 578,603 614,567 623.99,567 v1(646.14,589.15)
EPHY-LINK-LED: C52.2 U5.A2 | length 85.1
  Top1 w4: C52.2@816,1036 816,1034.66 825,1025.66 825,972.74 U5.A2@837.77,959.96
EPHY-RXN: U5.A4 U8.73 | length 337.3
  Top1 w4: U8.73@783.21,1195.14 779.55,1191.48 779.55,1111.44 860,1030.99 860,931.01 U5.A4@837.77,908.78 ; U8.73@785,1195.14 U8.73@785,1202
EPHY-RXP: U5.B4 U8.75 | length 375.4
  Top1 w4: U8.75@802.9,1195.14 806.55,1191.48 806.55,1098.58 870,1035.13 870,921 844.99,895.99 824.98,895.99 U5.B4@812.18,908.78
EPHY-SPD-LED: C53.2 U5.F7 | length 39.6
  Top1 w4: U5.F7@709.82,832.01 v1(722.61,844.81)
  Bottom6 w4: v1@725,845.67 v1@725,846
  Bottom6 w10: v1@723,845 724.34,843.66 738.05,843.66 C53.2@742,839.71
EPHY-TXN: U5.A3 U8.71 | length 346.8
  Top1 w4: U8.71@763.53,1195.14 767.43,1191.23 767.43,1163.87 768,1163.3 768,1108.85 792.85,1084 792.85,1080.46 786.34,1073.95 786.34,1070.42 789.87,1066.88 793.41,1066.88 799.92,1073.39 803.46,1073.39 806.99,1069.86 806.99,1066.32 800.48,1059.81 800.48,1056.27 804.01,1052.74 807.55,1052.74 814.06,1059.25 817.6,1059.25 850,1026.85 850,946.6 U5.A3@837.77,934.37
EPHY-TXP: U5.B3 U8.69 | length 337.4
  Top1 w4: U8.69@743.84,1195.14 740,1191.3 740,1101 745.91,1095.09 749.45,1095.09 755.96,1101.6 759.49,1101.6 763.03,1098.07 763.03,1094.53 756.52,1088.02 756.52,1084.48 760.05,1080.95 763.59,1080.95 770.1,1087.46 773.64,1087.46 777.17,1083.93 777.17,1080.39 770.66,1073.88 770.66,1070.34 793,1048 793,1014 799.09,1007.91 799.09,956.79 812.18,943.7 U5.B3@812.18,934.37